# Altium PCB REFERENCE.PcbDoc (part 2 of 2)
Units mm, origin at the board's own origin, x right, y up, seen from the top; angles counter-clockwise.
Board outline 86 x 86 mm, 4 copper layers (Top Layer, Mid-Layer 1, Mid-Layer 2, Bottom Layer); 161 components, 99 nets, 677 pads, 1220 vias.
Unrouted connection lines stored in the file: 370.
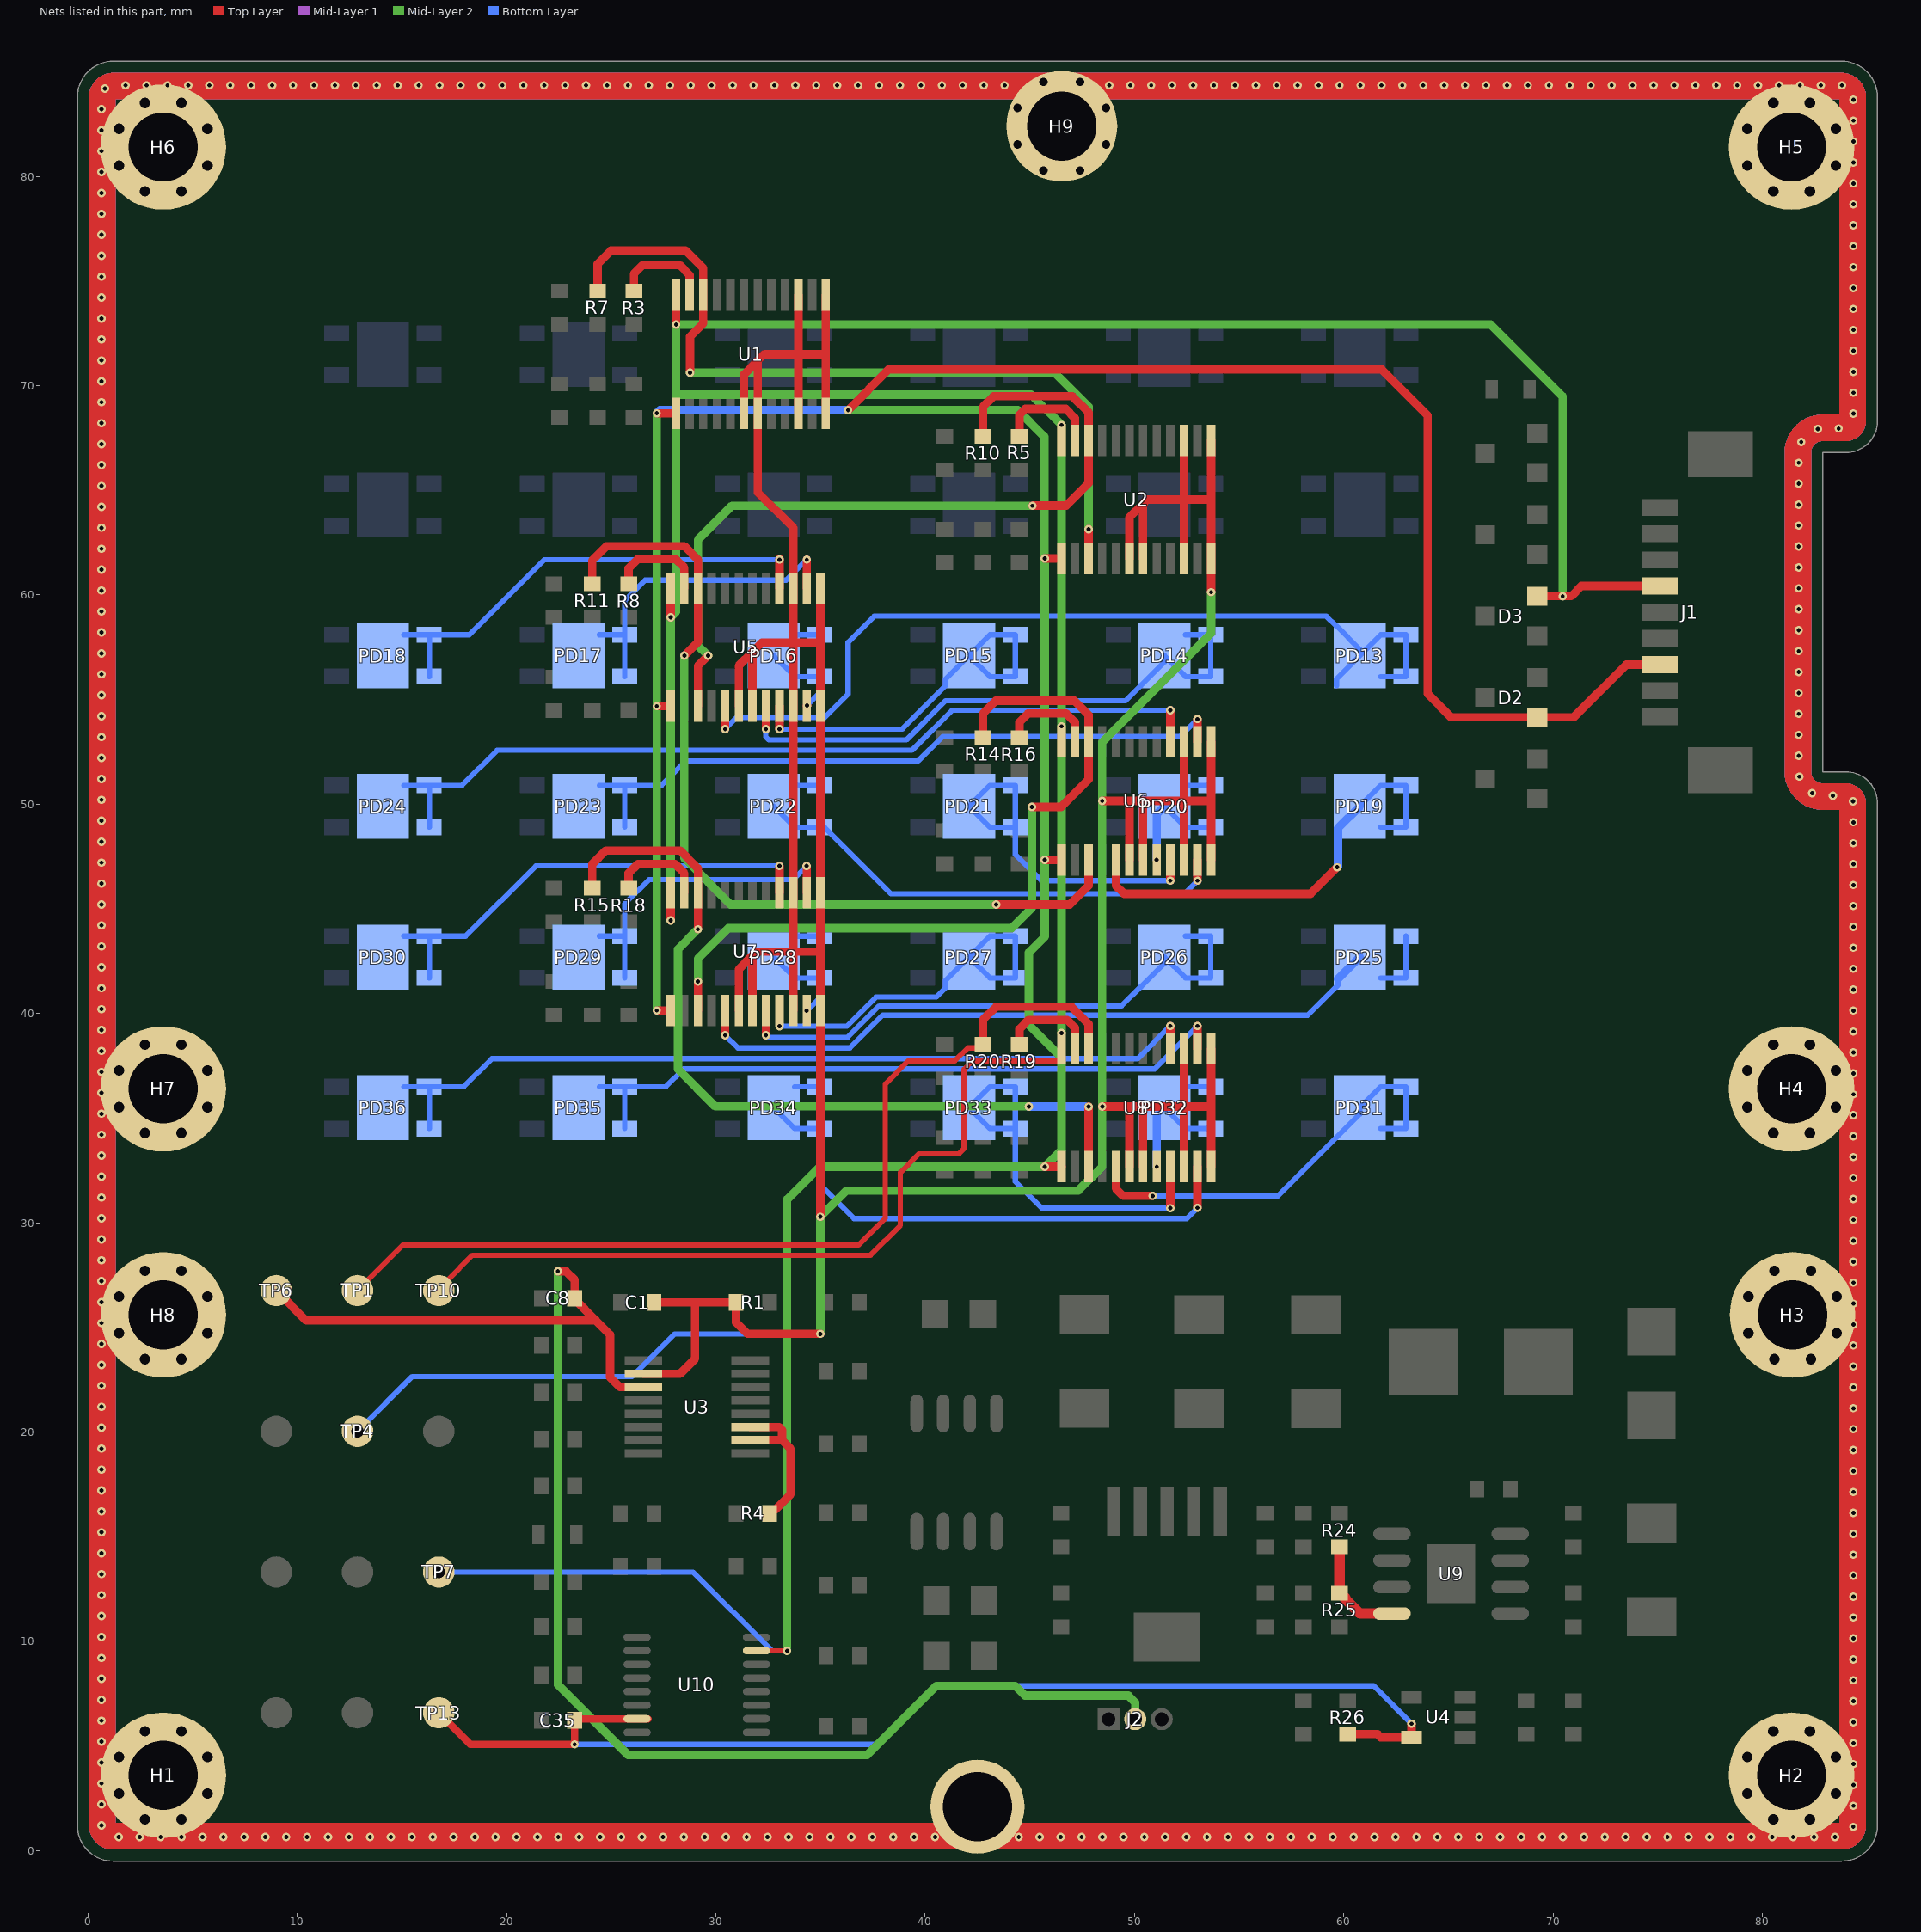
[diagram p4: the nets of this part, all layers, seen from the top]

## Via types
v1: diameter 0.4, hole 0.2, Top Layer to Bottom Layer, tented both sides, 883 vias
v2: diameter 0.4, hole 0.2, Top Layer to Bottom Layer, 330 vias
v3: diameter 0.9, hole 0.6, Top Layer to Bottom Layer, tented both sides, 7 vias

## Nets (pads, with @x,y where several pads share a name; then routed paths per layer and width w, separated by ;. In a path a pad name is that pad's centre, name@x,y a point inside that pad or via, vN(x,y) a via of type N, cw(c..) or ccw(c..) an arc to the next point about the centre after c; other vN are vias at no path point) (continued)
NetPD13_2: PD13.2 U5.5 | length 43.8
  Top Layer w0.4: v1(30.447,53.594) U5.5@30.447,54.687
  Bottom Layer w0.254: v1(30.447,53.594) 31.006,54.153 35.21,54.153 36.322,55.265 36.322,57.737 37.571,58.987 59.168,58.987 59.633,58.522 59.652,58.522 60.77,57.405 PD13.2@60.77,57.1 ; PD13.2@59.652,55.67 59.652,55.982 PD13.2@60.77,57.1 ; PD13.2@61.77,56.1 PD13.2@62.98,56.1 PD13.2@62.98,58.1 61.77,58.1 PD13.2@60.77,57.1
NetPD14_2: PD14.2 U5.8 | length 28.3
  Top Layer w0.4: v1(32.397,53.594) U5.8@32.397,54.687
  Bottom Layer w0.254: v1@32.382,53.579 32.382,53.226 32.534,53.073 39.103,53.073 40.976,54.946 49.586,54.946 PD14.2@50.318,55.678 ; PD14.2@50.294,55.678 PD14.2@50.318,55.678 ; PD14.2@52.436,58.1 PD14.2@53.646,58.1 PD14.2@53.646,56.1 52.436,56.1 PD14.2@51.436,57.1 51.436,56.795 PD14.2@50.318,55.678
NetPD15_2: PD15.2 U5.9 | length 19
  Top Layer w0.4: v1(33.047,53.594) U5.9@33.047,54.687
  Bottom Layer w0.254: v1(33.047,53.594) 38.906,53.594 40.984,55.673 40.984,55.982 PD15.2@42.102,57.1 ; PD15.2@42.102,57.1 43.102,56.1 PD15.2@44.312,56.1 PD15.2@44.312,58.1 43.102,58.1 PD15.2@42.102,57.1
NetPD16_2: PD16.2 U5.11 | length 7.5
  Top Layer w0.4: U5.11@34.347,54.687 34.347,54.707 v1(34.354,54.714)
  Bottom Layer w0.254: PD16.2@32.768,57.1 33.768,56.1 PD16.2@34.978,56.1 ; PD16.2@33.768,58.1 PD16.2@34.978,58.1 PD16.2@34.978,56.1 ; v1(34.354,54.714) 34.978,55.338 PD16.2@34.978,56.1
NetPD17_2: PD17.2 U5.14 | length 15.7
  Top Layer w0.4: U5.14@34.347,60.325 v1(34.347,61.688)
  Bottom Layer w0.254: PD17.2@24.434,58.1 PD17.2@25.644,58.1 ; PD17.2@25.644,56.1 PD17.2@25.644,58.1 ; v1(34.347,61.688) 33.365,60.706 26.623,60.706 25.644,59.727 PD17.2@25.644,58.1
NetPD18_2: PD18.2 U5.16 | length 22.8
  Top Layer w0.4: U5.16@33.047,60.325 v1@33.047,61.722
  Bottom Layer w0.254: PD18.2@15.1,58.1 PD18.2@16.31,58.1 ; PD18.2@16.31,56.1 PD18.2@16.31,58.1 ; v1(33.047,61.688) 21.81,61.688 18.222,58.1 PD18.2@16.31,58.1
NetPD19_2: PD19.2 U6.5 | length 21.7
  Top Layer w0.4: U6.5@49.115,47.342 49.115,46.116 49.511,45.72 58.42,45.72 v1(59.69,46.99)
  Bottom Layer w0.254: PD19.2@60.77,49.9 61.77,50.9 PD19.2@62.98,50.9 PD19.2@62.98,48.9 PD19.2@61.77,48.9
  Bottom Layer w0.4: v1(59.69,46.99) 59.725,47.025 59.725,48.855 PD19.2@60.77,49.9
NetPD20_2: PD20.2 U6.8 | length 8.5
  Bottom Layer w0.254: PD20.2@51.436,49.9 52.436,48.9 PD20.2@53.646,48.9 PD20.2@53.646,50.9 PD20.2@52.436,50.9
  Bottom Layer w0.4: v1(51.065,47.342) 51.065,49.529 PD20.2@51.436,49.9
NetPD21_2: PD21.2 U6.9 | length 17.5
  Top Layer w0.4: v1(51.715,46.351) U6.9@51.715,47.342
  Bottom Layer w0.254: v1(51.715,46.351) 45.558,46.351 44.312,47.597 PD21.2@44.312,48.9 ; PD21.2@44.312,48.9 43.102,48.9 PD21.2@42.102,49.9 43.102,50.9 PD21.2@44.312,50.9 PD21.2@44.312,48.9
NetPD22_2: PD22.2 U6.11 | length 26.4
  Top Layer w0.4: v1@53.015,46.351 U6.11@53.015,47.342
  Bottom Layer w0.254: PD22.2@32.768,49.9 33.768,48.9 PD22.2@34.978,48.9 ; PD22.2@33.768,50.9 PD22.2@34.978,50.9 PD22.2@34.978,48.9 ; v1(53.017,46.351) 52.386,45.72 38.374,45.72 35.194,48.9 PD22.2@34.978,48.9
NetPD23_2: PD23.2 U6.14 | length 33
  Top Layer w0.4: U6.14@53.015,52.981 v1(53.015,54.068)
  Bottom Layer w0.254: PD23.2@24.434,50.9 PD23.2@25.644,50.9 ; PD23.2@25.644,48.9 PD23.2@25.644,50.9 ; v1(53.015,54.068) 52.184,53.237 40.846,53.237 39.679,52.07 28.584,52.07 27.414,50.9 PD23.2@25.644,50.9
NetPD24_2: PD24.2 U6.16 | length 41.6
  Top Layer w0.4: U6.16@51.715,52.981 v1(51.715,54.491)
  Bottom Layer w0.254: PD24.2@15.1,50.9 PD24.2@16.31,50.9 ; PD24.2@16.31,48.9 PD24.2@16.31,50.9 ; v1(51.715,54.491) 41.284,54.491 39.371,52.578 19.558,52.578 17.88,50.9 PD24.2@16.31,50.9
NetPD25_2: PD25.2 U7.5 | length 36.9
  Top Layer w0.4: v1(30.447,38.96) U7.5@30.447,40.142
  Bottom Layer w0.254: v1(30.447,38.96) 31.053,38.354 36.407,38.354 37.97,39.916 58.281,39.916 59.642,41.278 59.652,41.278 59.725,41.351 PD25.2@59.725,41.655 ; PD25.2@61.77,41.7 PD25.2@62.98,41.7 PD25.2@62.98,43.7
  Bottom Layer w0.4: PD25.2@59.725,41.655 PD25.2@60.77,42.7
NetPD26_2: PD26.2 U7.8 | length 27.9
  Top Layer w0.4: v1(32.397,38.96) U7.8@32.397,40.142
  Bottom Layer w0.254: v1(32.397,38.96) 32.437,38.96 32.532,38.865 36.307,38.865 37.808,40.366 49.387,40.366 50.299,41.278 50.318,41.278 51.436,42.395 PD26.2@51.436,42.7 52.436,41.7 PD26.2@53.646,41.7 PD26.2@53.646,43.7 PD26.2@52.436,43.7
NetPD27_2: PD27.2 U7.9 | length 17.9
  Bottom Layer w0.254: v1(33.047,39.392) 36.262,39.392 37.655,40.786 40.531,40.786 40.984,41.24 40.984,41.582 PD27.2@42.102,42.7 ; PD27.2@42.102,42.7 43.102,41.7 PD27.2@44.312,41.7 PD27.2@44.312,43.7 43.102,43.7 PD27.2@42.102,42.7
NetPD28_2: PD28.2 U7.11 | length 7.7
  Bottom Layer w0.254: PD28.2@32.768,42.7 33.768,41.7 PD28.2@34.978,41.7 ; PD28.2@33.768,43.7 PD28.2@34.978,43.7 PD28.2@34.978,41.7 ; v1(34.343,40.128) 34.978,40.763 PD28.2@34.978,41.7
NetPD29_2: PD29.2 U7.14 | length 15.5
  Top Layer w0.4: v1(34.342,47.052) 34.347,47.047 U7.14@34.347,45.781
  Bottom Layer w0.254: PD29.2@24.434,43.7 PD29.2@25.644,43.7 ; PD29.2@25.644,41.7 PD29.2@25.644,43.7 ; v1(34.342,47.052) 33.686,46.396 26.8,46.396 25.644,45.239 PD29.2@25.644,43.7
NetPD30_2: PD30.2 U7.16 | length 22.6
  Top Layer w0.4: v1(33.037,47.052) 33.047,47.042 U7.16@33.047,45.781
  Bottom Layer w0.254: PD30.2@15.1,43.7 PD30.2@16.31,43.7 ; PD30.2@16.31,41.7 PD30.2@16.31,43.7 ; v1(33.037,47.052) 21.398,47.052 18.046,43.7 PD30.2@16.31,43.7
NetPD31_2: PD31.2 U8.5 | length 20.6
  Top Layer w0.4: U8.5@49.115,32.681 49.115,31.637 49.464,31.287 v1(50.875,31.287)
  Bottom Layer w0.254: v1(50.875,31.287) 56.862,31.287 60.77,35.195 PD31.2@60.77,35.5 61.77,36.5 PD31.2@62.98,36.5 PD31.2@62.98,34.5 PD31.2@61.77,34.5
NetPD32_2: PD32.2 U8.8 | length 8.8
  Bottom Layer w0.254: PD32.2@51.07,35.134 PD32.2@51.436,35.5 52.436,34.5 PD32.2@53.646,34.5 PD32.2@53.646,36.5 PD32.2@52.436,36.5
  Bottom Layer w0.4: v1(51.07,32.679) PD32.2@51.07,35.134
NetPD33_2: PD33.2 U8.9 | length 19.7
  Top Layer w0.4: v1@51.715,30.714 U8.9@51.715,32.681
  Bottom Layer w0.254: v1(51.715,30.698) 45.584,30.698 44.312,31.971 PD33.2@44.312,34.5 ; PD33.2@44.312,34.5 43.102,34.5 PD33.2@42.102,35.5 43.102,36.5 PD33.2@44.312,36.5 PD33.2@44.312,34.5
NetPD34_2: PD34.2 U8.11 | length 29.4
  Top Layer w0.4: v1(53.015,30.714) U8.11@53.015,32.681
  Bottom Layer w0.254: PD34.2@32.768,35.5 33.768,34.5 PD34.2@34.978,34.5 ; PD34.2@33.768,36.5 PD34.2@34.978,36.5 PD34.2@34.978,34.5 ; v1(53.015,30.714) 52.502,30.201 36.601,30.201 34.978,31.824 PD34.2@34.978,34.5
NetPD35_2: PD35.2 U8.14 | length 32.9
  Top Layer w0.4: U8.14@53.015,38.319 v1(53.015,39.403)
  Bottom Layer w0.254: PD35.2@24.434,36.5 PD35.2@25.644,36.5 ; PD35.2@25.644,34.5 PD35.2@25.644,36.5 ; v1(53.015,39.403) 50.966,37.354 28.464,37.354 27.61,36.5 PD35.2@25.644,36.5
NetPD36_2: PD36.2 U8.16 | length 40.9
  Top Layer w0.4: U8.16@51.715,38.319 v1(51.715,39.403)
  Bottom Layer w0.254: PD36.2@15.1,36.5 PD36.2@16.31,36.5 ; PD36.2@16.31,34.5 PD36.2@16.31,36.5 ; v1(51.715,39.403) 50.158,37.846 19.304,37.846 17.958,36.5 PD36.2@16.31,36.5
NetR3_1: R3.1 U1.23 | length 4.8
  Top Layer w0.4: R3.1@26.088,74.524 26.088,75.35 26.503,75.766 28.271,75.766 28.751,75.285 U1.23@28.751,74.319
NetR4_1: R4.1 U3.10 U3.11 | length 7.8
  Top Layer w0.4: U3.10@31.645,19.608 33.168,19.608 ; U3.11@31.645,20.243 33.019,20.243 33.168,20.094 33.168,19.608 ; R4.1@32.571,16.019 32.571,16.069 32.794,16.292 32.844,16.292 33.568,17.016 33.568,19.207 33.168,19.608
NetR5_1: R5.1 U2.23 | length 5.1
  Top Layer w0.4: R5.1@44.502,67.586 44.502,68.605 44.788,68.892 46.723,68.892 47.165,68.449 U2.23@47.165,67.381
NetR8_1: R8.1 U5.23 | length 4.8
  Top Layer w0.4: R8.1@25.834,60.53 25.834,61.274 26.287,61.728 28.075,61.728 28.497,61.306 U5.23@28.497,60.325
NetR16_1: R16.1 U6.23 | length 4.8
  Top Layer w0.4: R16.1@44.502,53.036 44.502,53.919 44.921,54.338 46.747,54.338 47.165,53.92 U6.23@47.165,52.981
NetR18_1: R18.1 U7.23 | length 4.7
  Top Layer w0.4: R18.1@25.834,45.986 25.834,46.707 26.277,47.15 28.05,47.15 28.497,46.703 U7.23@28.497,45.781
NetR19_1: R19.1 U8.23 | length 4.1
  Top Layer w0.4: R19.1@44.502,38.396 44.502,39.257 44.938,39.693 46.785,39.693 47.165,39.313 47.165,39.069
NetR24_1: R24.1 R25.2 U9.4 | length 5.2
  Top Layer w0.5: R24.1@59.797,14.517 R25.2@59.797,12.305 59.847,12.305 60.07,12.082 60.07,12.032 60.774,11.328 U9.4@62.306,11.328
PHOTODIODE: C1.1 R1.1 TP4.1 U1.6 U1.7 U1.10 U1.12 U1.13 U1.15 U2.6 U2.7 U2.10 U2.12 U2.13 U2.15 U3.2 U5.6 U5.7 U5.10 U5.12 U5.13 U5.15 U6.6 U6.7 U6.10 U6.12 U6.13 U6.15 U7.6 U7.7 U7.10 U7.12 U7.13 U7.15 U8.6 U8.7 U8.10 U8.12 U8.13 U8.15 | length 251.5
  Top Layer w0.4: U3.2@26.54,22.783 28.288,22.783 29.008,23.502 29.008,26.192 ; C1.1@27.044,26.192 29.008,26.192 ; U7.6@31.097,40.142 31.097,42.112 31.719,42.733 ; U5.6@31.097,54.687 31.097,56.619 31.747,57.269 ; U1.6@31.351,68.681 31.351,70.538 32.001,71.188 ; U7.7@31.747,40.142 31.747,42.762 31.947,42.962 ; U5.7@31.747,54.687 31.747,57.269 ; 31.947,57.469 31.747,57.269 ; 31.987,42.962 33.697,42.962 ; 32.046,71.233 32.001,71.188 ; U7.10@33.697,40.142 33.697,42.962 ; U1.10@33.951,68.681 33.951,71.5 ; U1.15@33.951,74.319 33.951,71.5 ; v1(34.997,24.692) 31.521,24.692 30.971,25.242 R1.1@30.971,26.192 29.008,26.192 ; v1@34.997,30.295 U7.12@34.997,40.142 34.997,42.962 ; U5.13@34.997,60.325 34.997,57.719 ; U1.12@35.251,68.681 35.251,71.5 ; U1.13@35.251,74.319 35.251,71.5 ; v1(48.463,50.162) 49.765,50.162 ; v1(48.465,35.549) 49.765,35.549 ; U8.6@49.765,32.681 49.765,35.549 ; U6.6@49.765,47.342 49.765,50.162 ; U2.6@49.765,61.742 49.765,63.712 50.415,64.362 ; U8.7@50.415,32.681 50.415,35.473 50.491,35.549 ; U6.7@50.415,47.342 50.415,48.009 50.413,48.011 50.413,50.122 50.453,50.162 ; U2.7@50.415,61.742 50.415,64.362 ; U8.10@52.365,32.681 52.365,35.549 ; U8.15@52.365,38.319 52.365,35.549 ; U6.10@52.365,47.342 52.365,49.045 ; 52.365,49.087 52.365,50.162 ; U6.15@52.365,52.981 52.365,50.162 ; U2.10@52.365,61.742 52.365,64.562 ; U2.15@52.365,67.381 52.365,64.562 ; U8.12@53.665,32.681 53.665,35.549 ; U8.13@53.665,38.319 53.665,35.549 ; U6.12@53.665,47.342 53.665,50.162 ; U6.13@53.665,52.981 53.665,50.162 ; v1(53.665,60.132) U2.12@53.665,61.742 53.665,64.562 ; U2.13@53.665,67.381 53.665,64.562 ; 31.747,57.269 32.197,57.719 33.697,57.719 ; 32.001,71.188 32.313,71.5 33.951,71.5 ; 32.001,71.188 U1.7@32.001,68.681 32.001,64.911 33.697,63.215 U5.15@33.697,60.325 33.697,57.719 ; 33.697,42.962 U7.15@33.697,45.781 U5.10@33.697,54.687 33.697,57.719 ; 33.697,42.962 34.997,42.962 ; 33.697,57.719 34.997,57.719 ; 33.951,71.5 35.251,71.5 ; 34.997,42.962 U7.13@34.997,45.781 U5.12@34.997,54.687 34.997,57.719 ; 49.765,35.549 50.491,35.549 ; 49.765,50.162 50.453,50.162 ; 50.415,64.362 50.615,64.562 52.365,64.562 ; 50.453,50.162 52.365,50.162 ; 50.491,35.549 52.365,35.549 ; 52.365,35.549 53.665,35.549 ; 52.365,50.162 53.665,50.162 ; 52.365,64.562 53.665,64.562
  Mid-Layer 2 w0.4: v1(34.997,24.692) v1(34.997,30.288) 36.249,31.54 47.324,31.54 48.465,32.681 v1(48.465,35.549) v1@48.465,50.162 ; v1(48.463,50.162) 48.463,52.972 53.665,58.175 v1(53.665,60.132)
  Bottom Layer w0.254: v3(12.882,20.037) 15.501,22.656 25.998,22.656 28.034,24.692 v1(34.997,24.692)
SCK_PD: D2.1 J1.3 TP7.1 U1.1 U2.1 U5.1 U6.1 U7.1 U8.1 U10.15 | length 198
  Top Layer w0.254: U10.15@31.943,9.551 v1(33.407,9.551)
  Top Layer w0.4: v1(27.178,40.142) U7.1@27.847,40.142 ; v1(27.178,54.687) U5.1@27.847,54.687 ; v1(27.178,68.681) U1.1@28.101,68.681 ; v1(36.322,68.834) 38.267,70.779 61.809,70.779 64.008,68.58 64.008,55.285 65.139,54.154 70.984,54.154 73.505,56.675 J1.3@75.095,56.675 ; v1(45.72,32.681) U8.1@46.515,32.681 ; v1(45.72,47.342) U6.1@46.515,47.342 ; v1(45.72,61.742) U2.1@46.515,61.742
  Mid-Layer 2 w0.4: v1(27.178,40.142) v1(27.178,54.687) v1(27.178,68.681) ; v1(33.407,9.551) 33.407,31.121 34.967,32.681 v1(45.72,32.681) 46.515,33.476 46.515,37.895 44.958,39.452 44.958,42.915 45.72,43.677 v1(45.72,47.342) v1(45.72,61.742) 45.704,61.758 45.704,67.564 44.434,68.834 v1(36.322,68.834)
  Bottom Layer w0.254: v3(16.764,13.312) 28.914,13.312 32.675,9.551 v1(33.407,9.551)
  Bottom Layer w0.4: v1(27.178,68.681) 27.331,68.834 v1(36.322,68.834)
SDO_1: R7.1 U1.22 U2.3 | length 39.2
  Top Layer w0.4: R7.1@24.354,74.524 24.354,75.822 24.993,76.461 28.558,76.461 29.401,75.618 29.401,72.975 28.774,72.348 v1(28.774,70.622) ; U2.3@47.815,61.742 v1(47.815,63.138)
  Mid-Layer 2 w0.4: v1(28.774,70.622) 46.193,70.622 47.815,69 v1(47.815,63.138)
SDO_2: R10.1 U2.22 U5.3 | length 38.5
  Top Layer w0.4: U5.3@29.147,54.694 29.147,56.61 v1(29.634,57.097) ; R10.1@42.768,67.586 42.768,68.988 43.278,69.498 47.037,69.498 47.815,68.72 U2.22@47.815,67.381 47.815,65.339 46.744,64.268 v1@45.128,64.268
  Mid-Layer 2 w0.4: v1(29.634,57.097) 29.147,57.584 29.147,62.638 30.77,64.261 v1(45.128,64.261)
SDO_3: R11.1 U5.22 U6.3 | length 43.1
  Top Layer w0.4: R11.1@24.1,60.53 24.1,61.656 24.777,62.332 28.497,62.332 29.147,61.682 U5.22@29.147,60.325 29.147,57.747 v1(28.497,57.097) ; v1@43.401,45.212 46.911,45.212 47.815,46.116 U6.3@47.815,47.342
  Mid-Layer 2 w0.4: v1(28.497,57.097) 28.497,47.421 30.706,45.212 43.394,45.212 v1(43.401,45.205)
SDO_4: R14.1 U6.22 U7.3 | length 37.3
  Top Layer w0.4: U7.3@29.147,40.142 v1@29.147,41.538 ; R14.1@42.768,53.186 42.768,54.338 43.376,54.946 47.137,54.946 47.815,54.268 U6.22@47.815,52.981 47.815,51.19 46.499,49.874 v1(45.102,49.874)
  Mid-Layer 2 w0.4: v1(29.147,41.53) 29.147,42.627 30.601,44.081 44.132,44.081 45.102,45.051 v1(45.102,49.874)
SDO_5: R15.1 U7.22 U8.3 | length 40.1
  Top Layer w0.4: R15.1@24.1,45.986 24.1,47.15 24.738,47.788 28.302,47.788 29.147,46.943 U7.22@29.147,45.781 v1@29.147,44.036 ; U8.3@47.815,32.681 v1(47.815,35.546) v1@47.815,35.553
  Mid-Layer 2 w0.4: v1(29.147,44.029) 28.194,43.076 28.194,37.338 29.972,35.56 v1@44.958,35.56
  Bottom Layer w0.4: v1(44.958,35.553) 47.808,35.553 v1(47.815,35.546)
SDO_6: R20.1 TP1.1 U8.22 | length 46.5
  Top Layer w0.254: TP1.1@12.882,26.763 15.062,28.942 36.827,28.942 38.1,30.216 38.1,36.636 39.203,37.739 41.424,37.739 42.045,38.36 42.604,38.36 R20.1@42.768,38.524
  Top Layer w0.4: R20.1@42.768,38.524 42.768,39.693 43.401,40.326 46.996,40.326 47.815,39.507 U8.22@47.815,38.319
SHIELD: H1.1 H2.1 H3.1 H4.1 H5.1 H6.1 H7.1 H8.1 H9.1 pad.1 | length 1350.2
  Top Layer w1.27: 0.685,83.794 0.685,82.209 0.685,81.209 0.685,80.209 0.685,79.209 0.685,78.209 0.685,77.209 0.685,76.209 0.685,75.209 0.685,74.209 0.685,73.209 0.685,72.209 0.685,71.209 0.685,70.209 0.685,69.209 0.685,68.209 0.685,67.209 0.685,66.209 0.685,65.209 0.685,64.209 0.685,63.209 0.685,62.209 0.685,61.209 0.685,60.209 0.685,59.209 0.685,58.209 0.685,57.209 0.685,56.209 0.685,55.209 0.685,54.209 0.685,53.209 0.685,52.209 0.685,51.209 0.685,50.209 0.685,49.209 0.685,48.209 0.685,47.209 0.685,46.209 0.685,45.209 0.685,44.209 0.685,43.209 0.685,42.209 0.685,41.209 0.685,40.209 0.685,39.209 0.685,38.209 0.685,37.209 0.685,36.209 0.685,35.209 0.685,34.209 0.685,33.209 0.685,32.209 0.685,31.209 0.685,30.209 0.685,29.209 0.685,28.209 0.685,27.209 0.685,26.209 0.685,25.209 0.685,24.209 0.685,23.209 0.685,22.209 0.685,21.209 0.685,20.209 0.685,19.209 0.685,18.209 0.685,17.209 0.685,16.209 0.685,15.209 0.685,14.209 0.685,13.209 0.685,12.209 0.685,11.209 0.685,10.209 0.685,9.209 0.685,8.209 0.685,7.209 0.685,6.209 0.685,5.209 0.685,4.209 0.685,3.209 0.685,2.209 0.685,1.2 ccw(c1.2,1.2) 1.2,0.685 ; 0.685,83.8 cw(c1.2,83.8) 1.2,84.315 2.802,84.315 3.802,84.315 4.802,84.315 5.802,84.315 6.802,84.315 7.802,84.315 8.802,84.315 9.802,84.315 10.802,84.315 11.802,84.315 12.802,84.315 13.802,84.315 14.802,84.315 15.802,84.315 16.802,84.315 17.802,84.315 18.802,84.315 19.802,84.315 20.802,84.315 21.802,84.315 22.802,84.315 23.802,84.315 24.802,84.315 25.802,84.315 26.802,84.315 27.802,84.315 28.802,84.315 29.802,84.315 30.802,84.315 31.802,84.315 32.802,84.315 33.802,84.315 34.802,84.315 35.802,84.315 36.802,84.315 37.802,84.315 38.802,84.315 39.802,84.315 40.802,84.315 41.802,84.315 42.802,84.315 43.802,84.315 44.802,84.315 45.655,84.315 46.53,84.315 47.405,84.315 48.802,84.315 49.802,84.315 50.802,84.315 51.802,84.315 52.802,84.315 53.802,84.315 54.802,84.315 55.802,84.315 56.802,84.315 57.802,84.315 58.802,84.315 59.802,84.315 60.802,84.315 61.802,84.315 62.802,84.315 63.802,84.315 64.802,84.315 65.802,84.315 66.802,84.315 67.802,84.315 68.802,84.315 69.802,84.315 70.802,84.315 71.802,84.315 72.802,84.315 73.802,84.315 74.802,84.315 75.802,84.315 76.802,84.315 77.802,84.315 78.802,84.315 79.802,84.315 80.802,84.315 81.802,84.315 82.802,84.315 v2@83.794,84.315 ; 1.206,0.685 2.475,0.685 3.475,0.685 4.475,0.685 5.475,0.685 6.475,0.685 7.475,0.685 8.475,0.685 9.475,0.685 10.475,0.685 11.475,0.685 12.475,0.685 13.475,0.685 14.475,0.685 15.475,0.685 16.475,0.685 17.475,0.685 18.474,0.685 19.474,0.685 20.474,0.685 21.474,0.685 22.474,0.685 23.474,0.685 24.474,0.685 25.474,0.685 26.474,0.685 27.474,0.685 28.474,0.685 29.474,0.685 30.474,0.685 31.474,0.685 32.474,0.685 33.474,0.685 34.474,0.685 35.474,0.685 36.474,0.685 37.474,0.685 38.474,0.685 39.474,0.685 40.474,0.685 42.5,0.685 44.474,0.685 45.474,0.685 46.474,0.685 47.474,0.685 48.474,0.685 49.474,0.685 50.474,0.685 51.474,0.685 52.474,0.685 53.474,0.685 54.474,0.685 55.474,0.685 56.474,0.685 57.474,0.685 58.474,0.685 59.474,0.685 60.474,0.685 61.474,0.685 62.474,0.685 63.474,0.685 64.474,0.685 65.474,0.685 66.474,0.685 67.474,0.685 68.474,0.685 69.474,0.685 70.474,0.685 71.474,0.685 72.474,0.685 73.474,0.685 74.474,0.685 75.474,0.685 76.474,0.685 77.474,0.685 78.474,0.685 79.474,0.685 80.474,0.685 81.474,0.685 82.474,0.685 83.8,0.685 ccw(c83.8,1.2) v2@84.315,1.2 ; v2@83.8,84.315 cw(c83.8,83.8) 84.315,83.8 84.315,82.665 84.315,81.665 84.315,80.665 84.315,79.665 84.315,78.665 84.315,77.665 84.315,76.665 84.315,75.665 84.315,74.665 84.315,73.665 84.315,72.665 84.315,71.665 84.315,70.665 84.315,69.665 84.315,68.31 ; v2@84.315,1.204 84.315,2.139 84.315,3.139 84.315,4.139 84.315,5.139 84.315,6.139 84.315,7.139 84.315,8.139 84.315,9.139 84.315,10.139 84.315,11.139 84.315,12.139 84.315,13.139 84.315,14.139 84.315,15.139 84.315,16.139 84.315,17.139 84.315,18.139 84.315,19.139 84.315,20.139 84.315,21.139 84.315,22.139 84.315,23.139 84.315,24.139 84.315,25.139 84.315,26.139 84.315,27.139 84.315,28.139 84.315,29.139 84.315,30.139 84.315,31.139 84.315,32.139 84.315,33.139 84.315,34.139 84.315,35.139 84.315,36.139 84.315,37.139 84.315,38.139 84.315,39.139 84.315,40.139 84.315,41.139 84.315,42.139 84.315,43.139 84.315,44.139 84.315,45.139 84.315,46.139 84.315,47.139 84.315,48.139 84.315,49.139 84.315,50.05 ccw(c84,50.05) 84,50.365 82.886,50.365 cw(c82.886,51.55) 81.701,51.55 81.701,52.316 81.701,53.316 81.701,54.316 81.701,55.316 81.701,56.316 81.701,57.316 81.701,58.316 81.701,59.316 81.701,60.316 81.701,61.316 81.701,62.316 81.701,63.316 81.701,64.316 81.701,65.316 81.701,66.806 cw(c82.886,66.806) 82.886,67.991 84,67.991 ccw(c84,68.306) 84.315,68.306
  Mid-Layer 1 w1.27: 0.685,83.794 0.685,82.209 0.685,81.209 0.685,80.209 0.685,79.209 0.685,78.209 0.685,77.209 0.685,76.209 0.685,75.209 0.685,74.209 0.685,73.209 0.685,72.209 0.685,71.209 0.685,70.209 0.685,69.209 0.685,68.209 0.685,67.209 0.685,66.209 0.685,65.209 0.685,64.209 0.685,63.209 0.685,62.209 0.685,61.209 0.685,60.209 0.685,59.209 0.685,58.209 0.685,57.209 0.685,56.209 0.685,55.209 0.685,54.209 0.685,53.209 0.685,52.209 0.685,51.209 0.685,50.209 0.685,49.209 0.685,48.209 0.685,47.209 0.685,46.209 0.685,45.209 0.685,44.209 0.685,43.209 0.685,42.209 0.685,41.209 0.685,40.209 0.685,39.209 0.685,38.209 0.685,37.209 0.685,36.209 0.685,35.209 0.685,34.209 0.685,33.209 0.685,32.209 0.685,31.209 0.685,30.209 0.685,29.209 0.685,28.209 0.685,27.209 0.685,26.209 0.685,25.209 0.685,24.209 0.685,23.209 0.685,22.209 0.685,21.209 0.685,20.209 0.685,19.209 0.685,18.209 0.685,17.209 0.685,16.209 0.685,15.209 0.685,14.209 0.685,13.209 0.685,12.209 0.685,11.209 0.685,10.209 0.685,9.209 0.685,8.209 0.685,7.209 0.685,6.209 0.685,5.209 0.685,4.209 0.685,3.209 0.685,2.209 0.685,1.2 ccw(c1.2,1.2) 1.2,0.685 ; 0.685,83.8 cw(c1.2,83.8) 1.2,84.315 2.802,84.315 3.802,84.315 4.802,84.315 5.802,84.315 6.802,84.315 7.802,84.315 8.802,84.315 9.802,84.315 10.802,84.315 11.802,84.315 12.802,84.315 13.802,84.315 14.802,84.315 15.802,84.315 16.802,84.315 17.802,84.315 18.802,84.315 19.802,84.315 20.802,84.315 21.802,84.315 22.802,84.315 23.802,84.315 24.802,84.315 25.802,84.315 26.802,84.315 27.802,84.315 28.802,84.315 29.802,84.315 30.802,84.315 31.802,84.315 32.802,84.315 33.802,84.315 34.802,84.315 35.802,84.315 36.802,84.315 37.802,84.315 38.802,84.315 39.802,84.315 40.802,84.315 41.802,84.315 42.802,84.315 43.802,84.315 44.802,84.315 45.655,84.315 46.53,84.315 47.405,84.315 48.802,84.315 49.802,84.315 50.802,84.315 51.802,84.315 52.802,84.315 53.802,84.315 54.802,84.315 55.802,84.315 56.802,84.315 57.802,84.315 58.802,84.315 59.802,84.315 60.802,84.315 61.802,84.315 62.802,84.315 63.802,84.315 64.802,84.315 65.802,84.315 66.802,84.315 67.802,84.315 68.802,84.315 69.802,84.315 70.802,84.315 71.802,84.315 72.802,84.315 73.802,84.315 74.802,84.315 75.802,84.315 76.802,84.315 77.802,84.315 78.802,84.315 79.802,84.315 80.802,84.315 81.802,84.315 82.802,84.315 v2@83.794,84.315 ; 1.206,0.685 2.475,0.685 3.475,0.685 4.475,0.685 5.475,0.685 6.475,0.685 7.475,0.685 8.475,0.685 9.475,0.685 10.475,0.685 11.475,0.685 12.475,0.685 13.475,0.685 14.475,0.685 15.475,0.685 16.475,0.685 17.475,0.685 18.474,0.685 19.474,0.685 20.474,0.685 21.474,0.685 22.474,0.685 23.474,0.685 24.474,0.685 25.474,0.685 26.474,0.685 27.474,0.685 28.474,0.685 29.474,0.685 30.474,0.685 31.474,0.685 32.474,0.685 33.474,0.685 34.474,0.685 35.474,0.685 36.474,0.685 37.474,0.685 38.474,0.685 39.474,0.685 40.474,0.685 42.5,0.685 44.474,0.685 45.474,0.685 46.474,0.685 47.474,0.685 48.474,0.685 49.474,0.685 50.474,0.685 51.474,0.685 52.474,0.685 53.474,0.685 54.474,0.685 55.474,0.685 56.474,0.685 57.474,0.685 58.474,0.685 59.474,0.685 60.474,0.685 61.474,0.685 62.474,0.685 63.474,0.685 64.474,0.685 65.474,0.685 66.474,0.685 67.474,0.685 68.474,0.685 69.474,0.685 70.474,0.685 71.474,0.685 72.474,0.685 73.474,0.685 74.474,0.685 75.474,0.685 76.474,0.685 77.474,0.685 78.474,0.685 79.474,0.685 80.474,0.685 81.474,0.685 82.474,0.685 83.8,0.685 ccw(c83.8,1.2) v2@84.315,1.2 ; v2@83.8,84.315 cw(c83.8,83.8) 84.315,83.8 84.315,82.665 84.315,81.665 84.315,80.665 84.315,79.665 84.315,78.665 84.315,77.665 84.315,76.665 84.315,75.665 84.315,74.665 84.315,73.665 84.315,72.665 84.315,71.665 84.315,70.665 84.315,69.665 84.315,68.31 ; v2@84.315,1.204 84.315,2.139 84.315,3.139 84.315,4.139 84.315,5.139 84.315,6.139 84.315,7.139 84.315,8.139 84.315,9.139 84.315,10.139 84.315,11.139 84.315,12.139 84.315,13.139 84.315,14.139 84.315,15.139 84.315,16.139 84.315,17.139 84.315,18.139 84.315,19.139 84.315,20.139 84.315,21.139 84.315,22.139 84.315,23.139 84.315,24.139 84.315,25.139 84.315,26.139 84.315,27.139 84.315,28.139 84.315,29.139 84.315,30.139 84.315,31.139 84.315,32.139 84.315,33.139 84.315,34.139 84.315,35.139 84.315,36.139 84.315,37.139 84.315,38.139 84.315,39.139 84.315,40.139 84.315,41.139 84.315,42.139 84.315,43.139 84.315,44.139 84.315,45.139 84.315,46.139 84.315,47.139 84.315,48.139 84.315,49.139 84.315,50.05 ccw(c84,50.05) 84,50.365 82.886,50.365 cw(c82.886,51.55) 81.701,51.55 81.701,52.316 81.701,53.316 81.701,54.316 81.701,55.316 81.701,56.316 81.701,57.316 81.701,58.316 81.701,59.316 81.701,60.316 81.701,61.316 81.701,62.316 81.701,63.316 81.701,64.316 81.701,65.316 81.701,66.806 cw(c82.886,66.806) 82.886,67.991 84,67.991 ccw(c84,68.306) 84.315,68.306